# Altium PCB RTU_LMG_PCB2.PcbDoc
Units mm, origin at the board's own origin, x right, y up, seen from the top; angles counter-clockwise.
Board outline 94.96 x 109 mm, 2 copper layers (Top Layer, Bottom Layer), stack 1.57 mm thick; 92 components, 77 nets, 403 pads, 6 vias.
Unrouted connection lines stored in the file: 231.
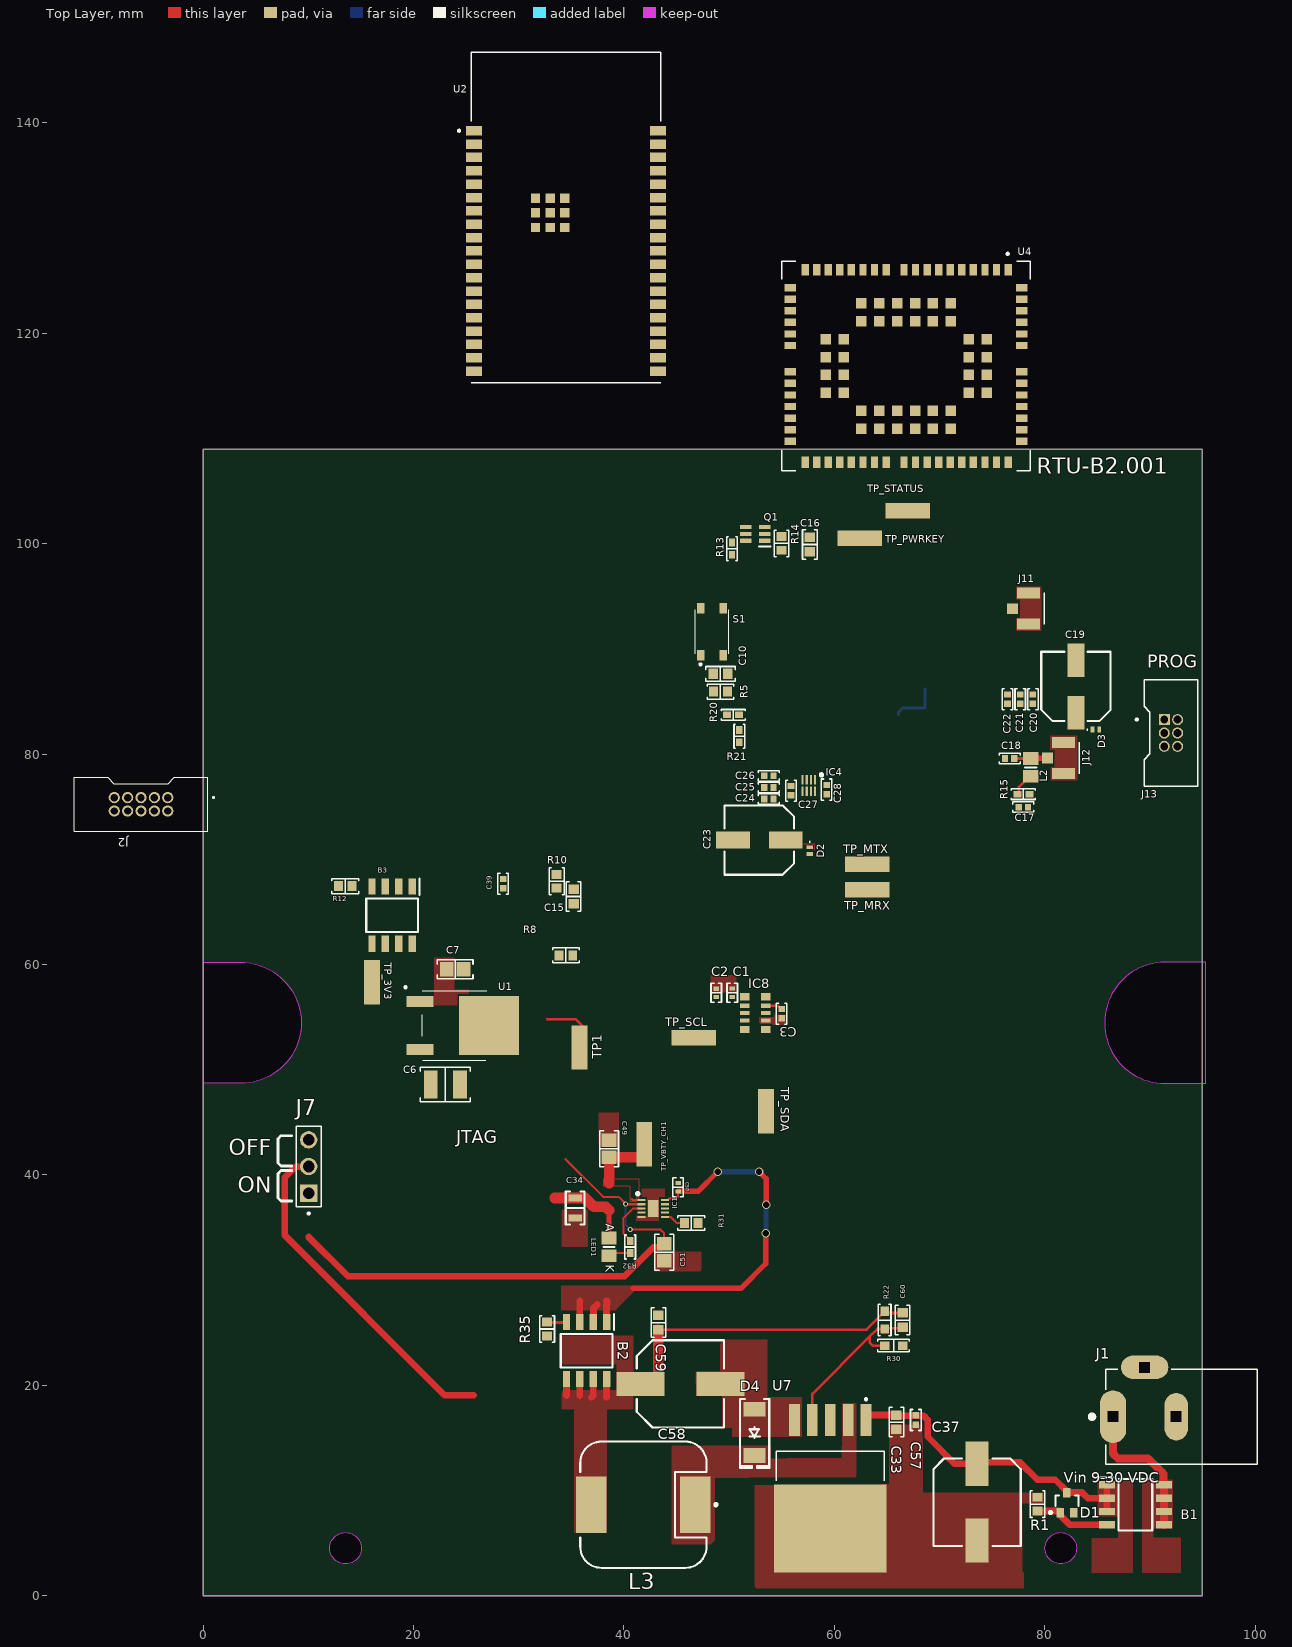
[diagram p0: Top Layer view]
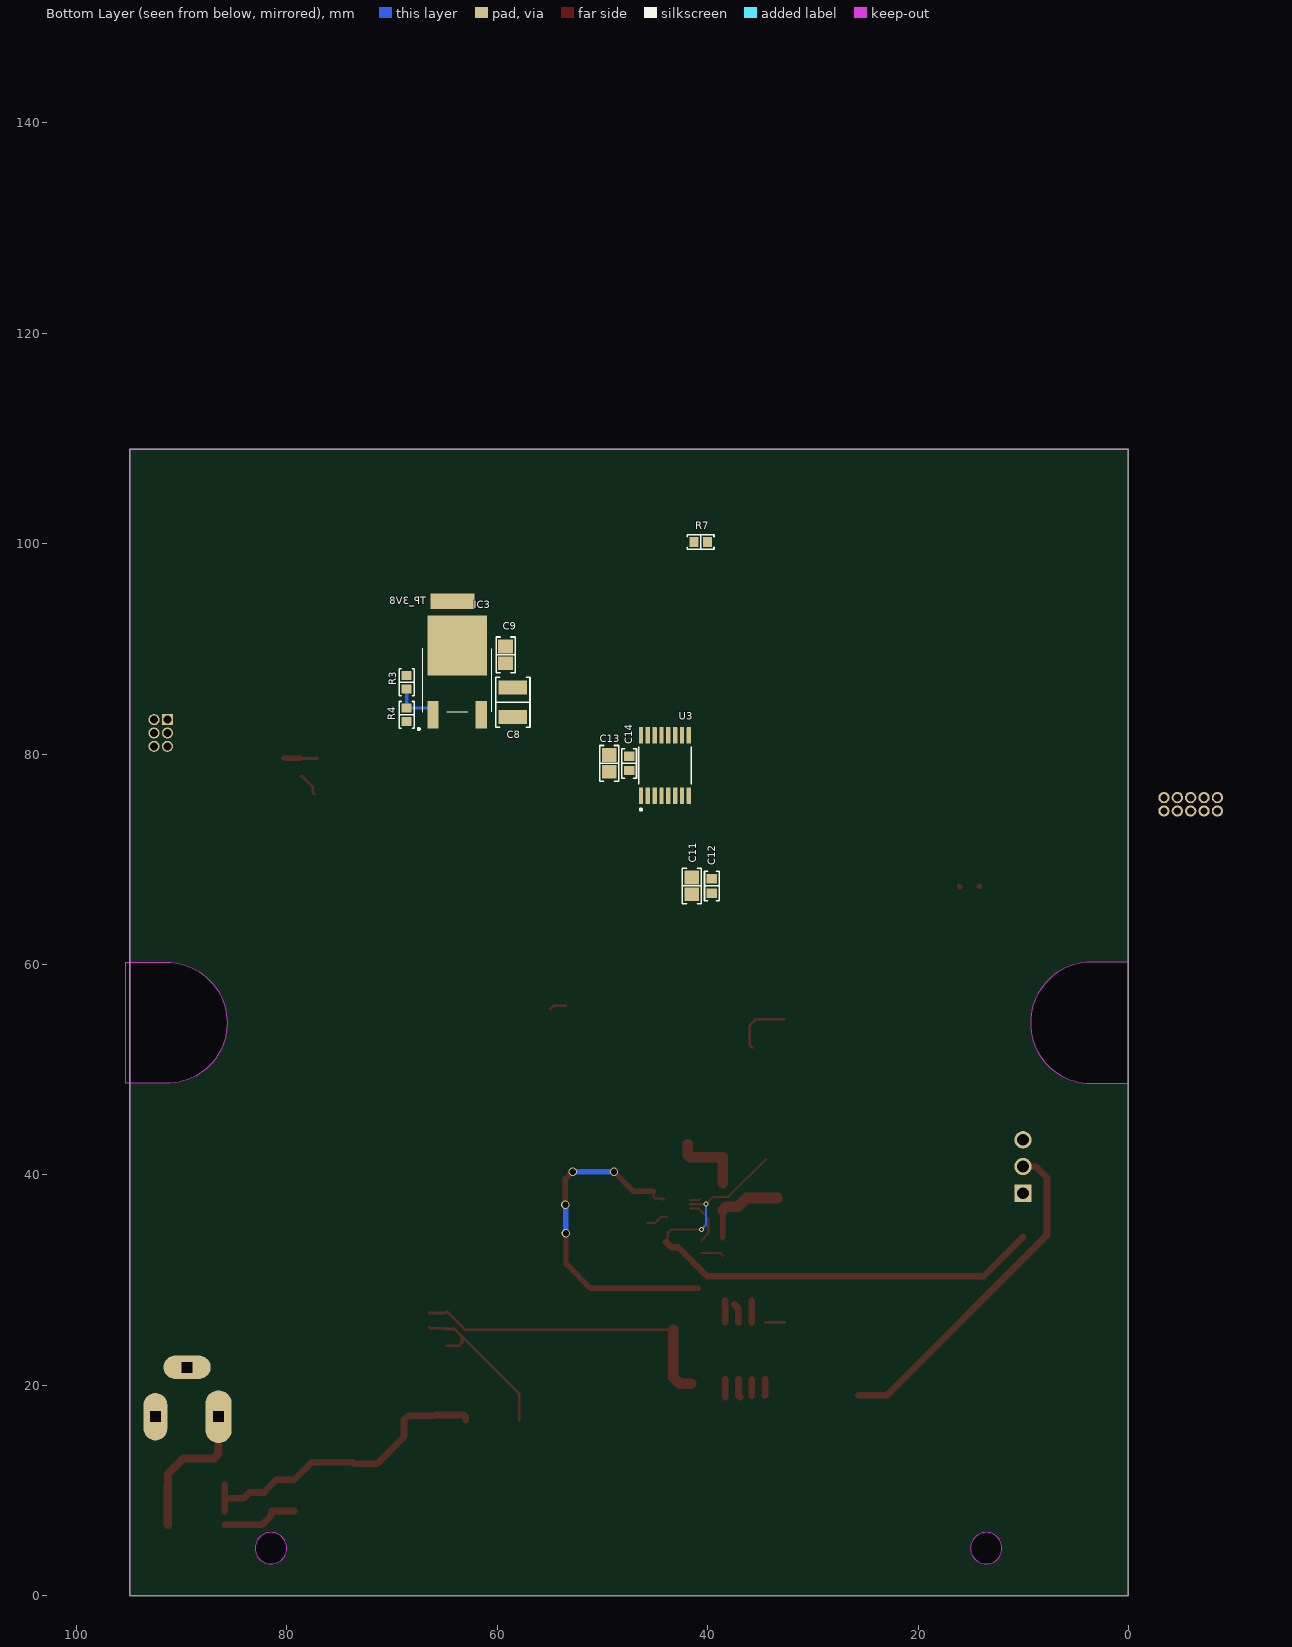
[diagram p1: Bottom Layer view, seen from below]

## Layer stack, top to bottom
Top Solder: solder mask 0.0102, Solder Resist, Dk 3.5
Top Layer: signal copper 0.035
Dielectric 2: prepreg 0.25, PP-006, Dk 4.1
Dielectric 1: dielectric 1, FR-4, Dk 4.8
Dielectric 3: prepreg 0.25, PP-006, Dk 4.1
Bottom Layer: signal copper 0.035
Bottom Solder: solder mask 0.0102, Solder Resist, Dk 3.5

## Board outline
0,0 94.964,0 94.964,109 0,109
cut-out: 13.525,3 cw(c13.525,4.5) 12.025,4.5 cw(c13.525,4.5) 13.525,6 cw(c13.525,4.5) 15.025,4.5 cw(c13.525,4.5)
cut-out: 95.33,48.69 95.33,60.201 91.446,60.201 ccw(c91.449,54.443) 85.69,54.44 ccw(c91.44,54.44) 91.45,48.69
cut-out: 81.525,3 cw(c81.525,4.5) 80.025,4.5 cw(c81.525,4.5) 81.525,6 cw(c81.525,4.5) 83.025,4.5 cw(c81.525,4.5)
cut-out: 0,48.69 0,60.201 3.554,60.201 cw(c3.551,54.443) 9.31,54.44 cw(c3.56,54.44) 3.55,48.69

## Design rules (kind name [scope] priority, off if disabled: settings)
Clearance [All] p1: gap=0.178 ignorepadtopadclearanceinfootprint=FALSE except(0.203: Arc-Via Track-Via SMDPad-Via THPad-Via Via-Via)
MinimumSolderMaskSliver [All] p1: minsoldermaskwidth=0
PlaneClearance [All] p1: clearance=0.178
PlaneConnect [All] p1: planeconnectstyle=Direct reliefexpansion=0.508 reliefentries=4 reliefconductorwidth=0.254 reliefairgap=0.178
PolygonConnect [All] p1: connectstyle=Direct reliefconductorwidth=0.254 reliefentries=4 polygonreliefangle="90 Angle" airgapwidth=0.254
RoutingVias RoutingVias_1 [All] p1: holewidth=0.254 width=0.483 viastyle="Through Hole" minholewidth=0 minwidth=0 maxholewidth=0.711 maxwidth=1.27
RoutingVias BuriedVias [IsBuriedVia] p2: holewidth=0.25 width=0.5 viastyle="Through Hole" minholewidth=0 minwidth=0 maxholewidth=0.25 maxwidth=0.5
SilkToSilkClearance [All] p1: silktosilkclearance=0
SilkToSolderMaskClearance [IsPad] p1: minsilkscreentomaskgap=0 clearancetoexposedcopper=TRUE
SolderMaskExpansion [All] p1: expansion=0.102 istentingtop=FALSE
Width [All] p1: maxlimit=5.08 minlimit=0.152 preferedwidth=0.254 toplayer_minwidth=0.152 minimp=50.000000 maximp=50.000000 favimp=50.000000
25 further rules are at their usual default settings.

## Classes and differential pairs
component class U_RTU_B2_ORing3V3: B3 R12
component class "Fuente Buck 9/30V - 6V": B2 C33 C37 C57 C58 C59 C60 D4 L3 R22 R30 R35 U7
component class U_RTU_B2_Boost: C34 C39
component class "Cargador de Baterias": C49 C50 C51 IC1 LED1 R31 R32 TP_VBTY_CH1
component class RTU_LMG_RTC_Linear_Voltage_Regulator_3V3: TP1
component class U_RTC: C1 C2 C3 IC8
component class RTU_LMG_Block_Diagram: B1 D1 J1 J2 J7 J13 R1
component class "Expansores de IO": C13 C14 U3
component class "Regulador lineal 3V8": C8 C9 IC3 R3 R4 TP_3V8
component class "Regulador lineal 3V3": C6 C7 TP_3V3 U1
component class Modem: C16 C17 C18 C19 C20 C21 C22 C23 C24 C25 C26 C27 C28 D2 D3 IC4 J11 J12 L2 Q1 R13 R14 R15 R20 R21 TP_MRX TP_MTX TP_PWRKEY TP_STATUS U4
component class Microcontrolador: C10 C11 C12 C15 R5 R7 R8 R10 S1 TP_SCL TP_SDA U2

## Components (designator, comment, footprint, x,y, rotation, side; value= is the part's Value field where it differs from the comment)
B1 "FDS6679AZ" SOIC127P600X175-8N 88.622,8.621 r0 top
B2 "FDS6679AZ" SOIC127P600X175-8N 36.439,23.28 r270 top
B3 "FDS6679AZ" SOIC127P600X175-8N 17.949,64.677 r270 top
C1 "0.1 µF" "MURATA GRM155 0402_1005" 50.293,57.311 r90 top
C2 "0.1 µF" "MURATA GRM155 0402_1005" 48.771,57.293 r90 top
C3 "1 µF" "CAP 0402_1005" 54.989,55.317 r270 top
C6 "10 µF" "CAP 1210_3225 - 1MM" 23.016,48.581 r0 top
C7 "22 µF" "CAP 0805_2012" 23.948,59.533 r0 top
C8 "10 µF" "CAP 1210_3225 - 1MM" 58.516,84.925 r90 bottom
C9 "22 µF" "CAP 0805_2012" 59.216,89.425 r90 bottom
C10 "0.047 µF" "CAP 0603_1608" 49.17,87.625 r180 top
C11 "22 µF" "CAP 0805_2012" 41.505,67.458 r90 bottom
C12 "0.047 µF" "CAP 0603_1608" 39.605,67.459 r90 bottom
C13 "22 µF" "CAP 0805_2012" 49.37,79.11 r90 bottom
C14 "0.047 µF" "CAP 0603_1608" 47.47,79.11 r90 bottom
C15 "0.047 µF" "CAP 0603_1608" 35.205,66.458 r90 top
C16 "0.047 µF" "CAP 0603_1608" 57.67,99.925 r270 top
C17 "0.1 µF" "CAP 0402_1005" 77.97,74.95 r0 top
C18 "100 pF" "CAP 0402_1005" 76.67,79.574 r0 top
C19 "100 µF" "CAP ALSMD 6.6MM H5.4MM" 82.97,86.425 r90 top
C20 "0.1 µF" "CAP 0402_1005" 78.87,85.225 r270 top
C21 "33 pF" "CAP 0402_1005" 77.67,85.225 r90 top
C22 "10 pF" "CAP 0402_1005" 76.47,85.225 r90 top
C23 "100 µF" "CAP ALSMD 6.6MM H5.4MM" 52.87,71.825 r180 top
C24 "0.1 µF" "CAP 0402_1005" 53.77,75.725 r0 top
C25 "33 pF" "CAP 0402_1005" 53.77,76.825 r180 top
C26 "10 pF" "CAP 0402_1005" 53.77,77.925 r180 top
C27 "0.1 µF" "CAP 0402_1005" 55.87,76.525 r270 top
C28 "0.1 µF" "CAP 0402_1005" 59.27,76.625 r270 top
C33 "1µF" "CAP 0603_1608" 65.902,16.481 r90 top
C34 "1 µF" "MURATA GRM21B 0805_2012" 35.362,36.842 r90 top
C37 "100 µF" "CAP ALSMD POLY 8.3MM H10.5MM" 73.57,8.87 r270 top
C39 "0.1 µF" "CAP 0402_1005" 28.515,67.673 r270 top
C49 "10 µF" "CAP 0805_2012" 38.576,42.468 r90 top
C50 "1 µF" "MURATA GRM155 0402_1005" 45.148,38.819 r270 top
C51 "10 µF" "CAP 0805_2012" 43.832,32.637 r90 top
C57 "0.1 µF" "CAP 0402_1005" 67.741,16.685 r90 top
C58 "330 µF" "CAP ALSMD 8.3MM H10.5MM" 45.36,20.12 r0 top
C59 "22 µF" "CAP 0603_1608" 43.279,25.951 r270 top
C60 "100 pF" "CAP 0603_1608" 66.482,26.189 r90 top
D1 "BZX84W-C12F" "DIODES SOT-323-3" 82.11,8.84 r90 top
D2 "AQ1250-01ETG" SOD-882 57.67,70.825 r270 top
D3 "AQ1250-01ETG" SOD-882 84.87,82.325 r0 top
D4 "PMEG100T50ELPX" "NEXPERIA SOD-128 CFP5" 52.416,15.503 r270 top
IC1 "BQ25186DLHR" SON40P220X200X80-11N 42.781,36.803 r0 top
IC3 "AZ2185D-ADJTRG1" TO252-3 63.816,87.025 r180 bottom
IC4 "TXS0102DQMR" 8-X2SON 57.57,77.025 r270 top
IC8 "RX8130CE" RX8130CE 52.499,55.367 r270 top
J1 "PJ-202A" CUI_PJ-202A 93,17 r0 top
J2 "3220-10-0100-00" 322010010000 -3.377,75.855 r180 top
J7 "68001-203HLF" AMPHENOL_68001-203HLF 10.022,40.785 r90 top
J11 "1909763-1" TE_1909763-1 78.47,93.825 r270 top
J12 "1909763-1" TE_1909763-1 81.77,79.624 r270 top
J13 "20021511-00006T4LF" AMPHENOL_20021511-00006T4LF 92,82 r270 top
L2 "47 nH" "0805 SMD" 78.67,78.724 r270 top
L3 "33 µH" "WURTH WE-PD 1210" 41.846,8.615 r180 top
LED1 "LTST-C170GKT" "0805 SMD - LED" 38.577,33.135 r270 top
Q1 "UM6K34NTCN" SOT-363 52.47,100.925 r180 top
R1 "100 kOhms" "RES 0603_1608" 79.31,8.69 r270 top
R3 "3.3 kOhms" "RES 0603_1608" 68.616,86.825 r90 bottom
R4 "6.8 kOhms" "RES 0603_1608" 68.616,83.725 r90 bottom
R5 "10 kOhms" "RES 0603_1608" 49.17,85.925 r0 top
R7 "10 kOhms" "RES 0603_1608" 40.67,100.15 r180 bottom
R8 "10 kOhms" "RES 0603_1608" 34.48,60.868 r180 top
R10 "10 kOhms" "RES 0603_1608" 33.605,67.908 r90 top
R12 "100 kOhms" "RES 0603_1608" 13.505,67.437 r0 top
R13 "100 kOhms" "RES 0402_1005" 50.27,99.525 r270 top
R14 "10 kOhms" "RES 0603_1608" 54.97,100.025 r270 top
R15 "10 Ohms" "RES 0402_1005" 77.97,76.185 r0 top
R20 "100 kOhms" "RES 0402_1005" 50.37,83.725 r180 top
R21 "120 kOhms" "RES 0402_1005" 50.97,81.7 r90 top
R22 "4.7 kOhms" "YAGEO RES 0603_1608" 64.782,26.189 r90 top
R30 "1.2 kOhms" "YAGEO RES 0603_1608" 65.632,23.758 r180 top
R31 "10 kOhms" "RES 0603_1608" 46.397,35.407 r180 top
R32 "2.2 kOhms" "RES 0402_1005" 40.588,33.135 r270 top
R35 "100 kOhms" "RES 0603_1608" 32.695,25.341 r270 top
S1 "PTS815_SJK_250_SMTR_LFS" PTS815SJK250SMTRLFS 48.37,91.625 r90 top
TP1 "RCWCTE" RCWCTE 35.769,52.103 r90 top
TP_3V3 "RCWCTE" RCWCTE 16.038,58.306 r90 top
TP_3V8 "RCWCTE" RCWCTE 64.27,94.525 r180 bottom
TP_MRX "RCWCTE" RCWCTE 63.12,67.102 r180 top
TP_MTX "RCWCTE" RCWCTE 63.12,69.525 r180 top
TP_PWRKEY "RCWCTE" RCWCTE 62.41,100.525 r180 top
TP_SCL "RCWCTE" RCWCTE 46.623,53.022 r0 top
TP_SDA "RCWCTE" RCWCTE 53.491,46.039 r90 top
TP_STATUS "RCWCTE" RCWCTE 66.97,103.125 r180 top
TP_VBTY_CH1 "RCWCTE" RCWCTE 41.919,42.894 r90 top
U1 "AZ1084CD-3.3TRG1" TO252-3 23.88,54.193 r270 top
U2 "ESP32-WROVER-E-N16R8" ESP32-WROVER-E-N16R8 34.486,130.997 r0 top
U3 "TCA9534PWR" 16-TSSOP 44.07,78.91 r90 bottom
U4 "BG95M3LA-64-SGNS" BG95M3LA-64-SGNS 66.82,116.888 r270 top
U7 "LM2596DSADJG" CONV_LM2596DSADJG 59.61,10.2 r270 top

## Footprints (in the part's own frame and the unit in brackets; to place one, negate y for a bottom-side part, rotate by r counter-clockwise, add the part's x,y. Pads: shape width x height; smd on the part's side, far side on the other; paste and mask are expansions set on the pad)
8-X2SON [mm] "TXS0102DQMR"
  rect 0.9x0.2 smd: 1(-0.55,0.6) 2(-0.55,0.2) 3(-0.55,-0.2) 4(-0.55,-0.6) 5(0.55,-0.6) 6(0.55,-0.2) 7(0.55,0.2) 8(0.55,0.6)
  silkscreen extent -1.12,1.08 -0.88,1.33, body extent -0.6,-0.9 0.6,0.9, height 0.5
16-TSSOP [mm] "TCA9534PWR"
  rrect25% 1.57x0.41 smd: 1(-2.87,2.275) 2(-2.87,1.625) 3(-2.87,0.975) 4(-2.87,0.325) 5(-2.87,-0.325) 6(-2.87,-0.975) 7(-2.87,-1.625) 8(-2.87,-2.275) 9(2.87,-2.275) 10(2.87,-1.625) 11(2.87,-0.975) 12(2.87,-0.325) 13(2.87,0.325) 14(2.87,0.975) 15(2.87,1.625) 16(2.87,2.275)
  silkscreen extent -4.29,-2.5 1.77,2.5
"0805 SMD" [mm]
  rect 1.2x1.45 smd: 1(-0.85,0) 2(0.85,0)
  silkscreen extent 0,-0.53 0,0.53, body extent -1,-0.63 1,0.63, height 1.45
"0805 SMD - LED" [mm]
  rect 1.2x1.45 smd: A(-0.85,0) K(0.85,0)
  silkscreen extent 0,-0.53 0,0.53, body extent -1,-0.63 1,0.63, height 1.45
322010010000 [mm] "Connector Header Through Hole 10 position Shrouded 4 wall 0.050\" (1.27mm)"
  round 1.07 hole 0.7: 1(0,0) 2(0,1.27) 3(1.27,0) 4(1.27,1.27) 5(2.54,0) 6(2.54,1.27) 7(3.81,0) 8(3.81,1.27) 9(5.08,0) 10(5.08,1.27)
  silkscreen extent -4.4,-1.91 8.86,3.18, body extent -3.87,-1.99 8.95,3.25, height 5.63
AMPHENOL_68001-203HLF [mm]
  rect 1.65x1.65 / inner round 1.65 / far side rect 1.65x1.65 hole 1.1: 01(-2.54,0)
  round 1.65 hole 1.1: 02(0,0) 03(2.54,0)
  silkscreen extent -4.56,-1.2 3.81,1.2, body extent -3.81,-1.2 3.81,1.2, height 8.38
AMPHENOL_20021511-00006T4LF [mm]
  rect 1.05x1.05 / inner round 1.05 / far side rect 1.05x1.05 hole 0.75: 1(-1.27,-0.635)
  round 1.05 hole 0.75: 2(-1.27,0.635) 3(0,-0.635) 4(0,0.635) 5(1.27,-0.635) 6(1.27,0.635)
  silkscreen extent -5.05,-3.35 5.05,2.55, body extent -5.05,-2.55 5.05,2.55, height 5.4
BG95M3LA-64-SGNS [mm] "Modem"
  rect 1.1x0.7 smd paste-2: 1(-9.15,9.7) 2(-9.15,8.6) 3(-9.15,7.5) 4(-9.15,6.4) 5(-9.15,5.3) 6(-9.15,4.2) 7(-9.15,3.1) 8(-9.15,2) 9(-9.15,0.9) 10(-9.15,-0.2) 11(-9.15,-1.9) 12(-9.15,-3) 13(-9.15,-4.1) 14(-9.15,-5.2) 15(-9.15,-6.3) 16(-9.15,-7.4) 17(-9.15,-8.5) 18(-9.15,-9.6) 32(9.15,-9.6) 33(9.15,-8.5) 34(9.15,-7.4) 35(9.15,-6.3) 36(9.15,-5.2) 37(9.15,-4.1) 38(9.15,-3) 39(9.15,-1.9) 40(9.15,-0.2) 41(9.15,0.9) 42(9.15,2) 43(9.15,3.1) 44(9.15,4.2) 45(9.15,5.3) 46(9.15,6.4) 47(9.15,7.5) 48(9.15,8.6) 49(9.15,9.7)
  rect 0.7x1.1 smd paste-2: 19(-7.45,-11) 20(-6.35,-11) 21(-5.25,-11) 22(-4.15,-11) 23(-3.05,-11) 24(-1.95,-11) 25(0.55,-11) 26(1.65,-11) 27(2.75,-11) 28(3.85,-11) 29(4.95,-11) 30(6.05,-11) 31(7.15,-11) 50(7.15,11) 51(6.05,11) 52(4.95,11) 53(3.85,11) 54(2.75,11) 55(1.65,11) 56(0.55,11) 57(-1.95,11) 58(-3.05,11) 59(-4.15,11) 60(-5.25,11) 61(-6.35,11) 62(-7.45,11)
  rect 1x1 smd paste-1: 63(-5.95,4.25) 64(-5.95,2.55) 65(-5.95,0.85) 66(-5.95,-0.85) 67(-5.95,-2.55) 68(-5.95,-4.25) 69(-2.55,-7.65) 70(-0.85,-7.65) 71(0.85,-7.65) 72(2.55,-7.65) 73(5.95,-4.25) 74(5.95,-2.55) 75(5.95,-0.85) 76(5.95,0.85) 77(5.95,2.55) 78(5.95,4.25) 79(2.55,7.65) 80(0.85,7.65) 81(-0.85,7.65) 82(-2.55,7.65) 83(-4.25,4.25) 84(-4.25,2.55) 85(-4.25,0.85) 86(-4.25,-0.85) 87(-4.25,-2.55) 88(-4.25,-4.25) 89(-2.55,-5.95) 90(-0.85,-5.95) 91(0.85,-5.95) 92(2.55,-5.95) 93(4.25,-4.25) 94(4.25,-2.55) 95(4.25,-0.85) 96(4.25,0.85) 97(4.25,2.55) 98(4.25,4.25) 99(2.55,5.95) 100(0.85,5.95) 101(-0.85,5.95) 102(-2.55,5.95)
  silkscreen extent -10.77,-11.8 9.95,11.8, body extent -8,-9.35 8,9.35
"CAP 0402_1005" [mm] "Chip Capacitor, 2-Leads, Body 1.02x0.51mm, IPC Medium Density"
  rect 0.6x0.64 smd: 1(-0.44,0) 2(0.44,0)
  silkscreen extent -1,-0.5 1,0.5, body extent -0.5,-0.26 0.5,0.26, height 0.52
"CAP 0603_1608" [mm] "Chip Capacitor, 2-Leads, Body 1.60x0.80mm, IPC Medium Density"
  rect 0.9x1 smd: 1(-0.675,0) 2(0.675,0)
  silkscreen extent -1.4,-0.7 1.4,0.7, body extent -0.8,-0.41 0.8,0.41, height 0.82
"CAP 0805_2012" [mm] "Chip Capacitor, 2-Leads, Body 2.00x1.20mm, IPC Medium Density"
  rect 1.3x1.4 smd: 1(-0.8,0) 2(0.8,0)
  silkscreen extent -1.7,-0.9 1.7,0.9, body extent -1,-0.64 1,0.64, height 1.26
"CAP 1210_3225 - 1MM" [mm] "Chip Capacitor, 2-Leads, Body 3.20x2.50mm, IPC Medium Density"
  rect 1.3x2.7 smd: 1(-1.4,0) 2(1.4,0)
  silkscreen extent -2.37,-1.63 2.37,1.63, body extent -1.6,-1.25 1.6,1.25, height 1
"CAP ALSMD 6.6MM H5.4MM" [mm] "Aluminum Electrolytic Capacitor, Body 6.60x6.60x5.40mm, IPC Low Density"
  rect 3.2x1.6 smd: 1(-2.5,0) 2(2.5,0)
  silkscreen extent -3.3,-3.3 3.3,3.3, body extent -3.5,-3.3 3.5,3.3, height 5.4
"CAP ALSMD 8.3MM H10.5MM" [mm] "Aluminum Electrolytic Capacitor, Body 8.30x8.30x10.50mm, IPC Low Density"
  rect 4.55x2.3 smd: 1(-3.8,0) 2(3.8,0)
  silkscreen extent -4.15,-4.15 4.15,4.15, body extent -4.95,-4.15 4.95,4.15, height 10.5
"CAP ALSMD POLY 8.3MM H10.5MM" [mm] "Aluminum Electrolytic Capacitor, Body 8.30x8.30x10.5mm"
  rect 4.2x2.2 smd: 1(-3.65,0) 2(3.65,0)
  silkscreen extent -4.15,-4.15 4.15,4.15, body extent -4.5,-4.15 4.5,4.15, height 10.5
CONV_LM2596DSADJG [mm]
  rect 3.05x1.016 smd: 1(-6.485,3.404) 2(-6.485,1.702) 3(-6.485,0) 4(-6.485,-1.702) 5(-6.485,-3.404)
  rect 8.38x10.66 smd paste-6: 6(3.82,0)
  silkscreen extent -8.56,-5.12 -0.69,5.12, body extent -7.1,-5.07 7.1,5.07, height 4.57
CUI_PJ-202A [mm]
  oval 2.5x5 hole 1 square: 1(-6.5,0)
  oval 2.25x4.5 hole 1 square: 2(-0.5,0)
  oval 4.5x2.25 hole 1 square: 3(-3.5,4.7)
  silkscreen extent -8.7,-4.5 7.2,4.5, body extent -7.2,-4.5 7.2,4.9, height 11
"DIODES SOT-323-3" [mm] "SOT323, 3-Leads, Body 2.00x2.10mm, Pitch 0.65mm, IPC Medium Density"
  rect 0.9x0.7 smd: 1(-0.95,0.65) 2(0.95,0) 3(-0.95,-0.65)
  silkscreen extent -1.07,-1.1 0.67,1.67, body extent -1.06,-1 1.06,1, height 1
ESP32-WROVER-E-N16R8 [mm]
  rect 1.5x0.9 smd: 1(-8.75,8.26) 2(-8.75,6.99) 3(-8.75,5.72) 4(-8.75,4.45) 5(-8.75,3.18) 6(-8.75,1.91) 7(-8.75,0.64) 8(-8.75,-0.63) 9(-8.75,-1.9) 10(-8.75,-3.17) 11(-8.75,-4.44) 12(-8.75,-5.71) 13(-8.75,-6.98) 14(-8.75,-8.25) 15(-8.75,-9.52) 16(-8.75,-10.79) 17(-8.75,-12.06) 18(-8.75,-13.33) 19(-8.75,-14.6) 20(8.75,-14.6) 21(8.75,-13.33) 22(8.75,-12.06) 23(8.75,-10.79) 24(8.75,-9.52) 25(8.75,-8.25) 26(8.75,-6.98) 27(8.75,-5.71) 28(8.75,-4.44) 29(8.75,-3.17) 30(8.75,-1.9) 31(8.75,-0.63) 32(8.75,0.64) 33(8.75,1.91) 34(8.75,3.18) 35(8.75,4.45) 36(8.75,5.72) 37(8.75,6.99) 38(8.75,8.26)
  rect 0.9x0.9 smd: 39_1(-2.9,1.86) 39_2(-1.5,1.86) 39_3(-0.1,1.86) 39_4(-2.9,0.46) 39_5(-1.5,0.46) 39_6(-0.1,0.46) 39_7(-2.9,-0.94) 39_8(-1.5,-0.94) 39_9(-0.1,-0.94)
  silkscreen extent -10.26,-15.7 9,15.7
"MURATA GRM21B 0805_2012" [mm] "Chip Capacitor, 2-Leads, Body 2.00x1.25mm"
  rect 0.7x1.3 smd: 1(-0.95,0) 2(0.95,0)
  silkscreen extent -1.58,-0.9 1.58,0.9, body extent -1,-0.63 1,0.63, height 1.25
"MURATA GRM155 0402_1005" [mm] "Chip Capacitor, 2-Leads, Body 1.0x0.50mm"
  rect 0.4x0.5 smd: 1(-0.4,0) 2(0.4,0)
  silkscreen extent -0.9,-0.5 0.9,0.5, body extent -0.52,-0.27 0.53,0.28, height 0.55
"NEXPERIA SOD-128 CFP5" [mm] "SOD128, 2-Leads, Body 2.50x4.70mm, IPC Medium Density"
  rect 1.4x2.1 smd: 1(-2.2,0) 2(2.2,0)
  silkscreen extent -3.18,-1.4 3.37,1.4, body extent -2.35,-1.35 2.35,1.35, height 1.1
PTS815SJK250SMTRLFS [mm] "Switch"
  rect 1x0.7 smd: 1(-2.25,1.075) 2(2.25,1.075) 3(-2.25,-1.075) 4(2.25,-1.075)
  silkscreen extent -3.2,-1.6 2.07,1.6, body extent -2.3,-1.6 2.3,1.6, height 2.5